# Altium PCB KlusterLab r2.0.PcbDoc (part 4 of 22) (continued)
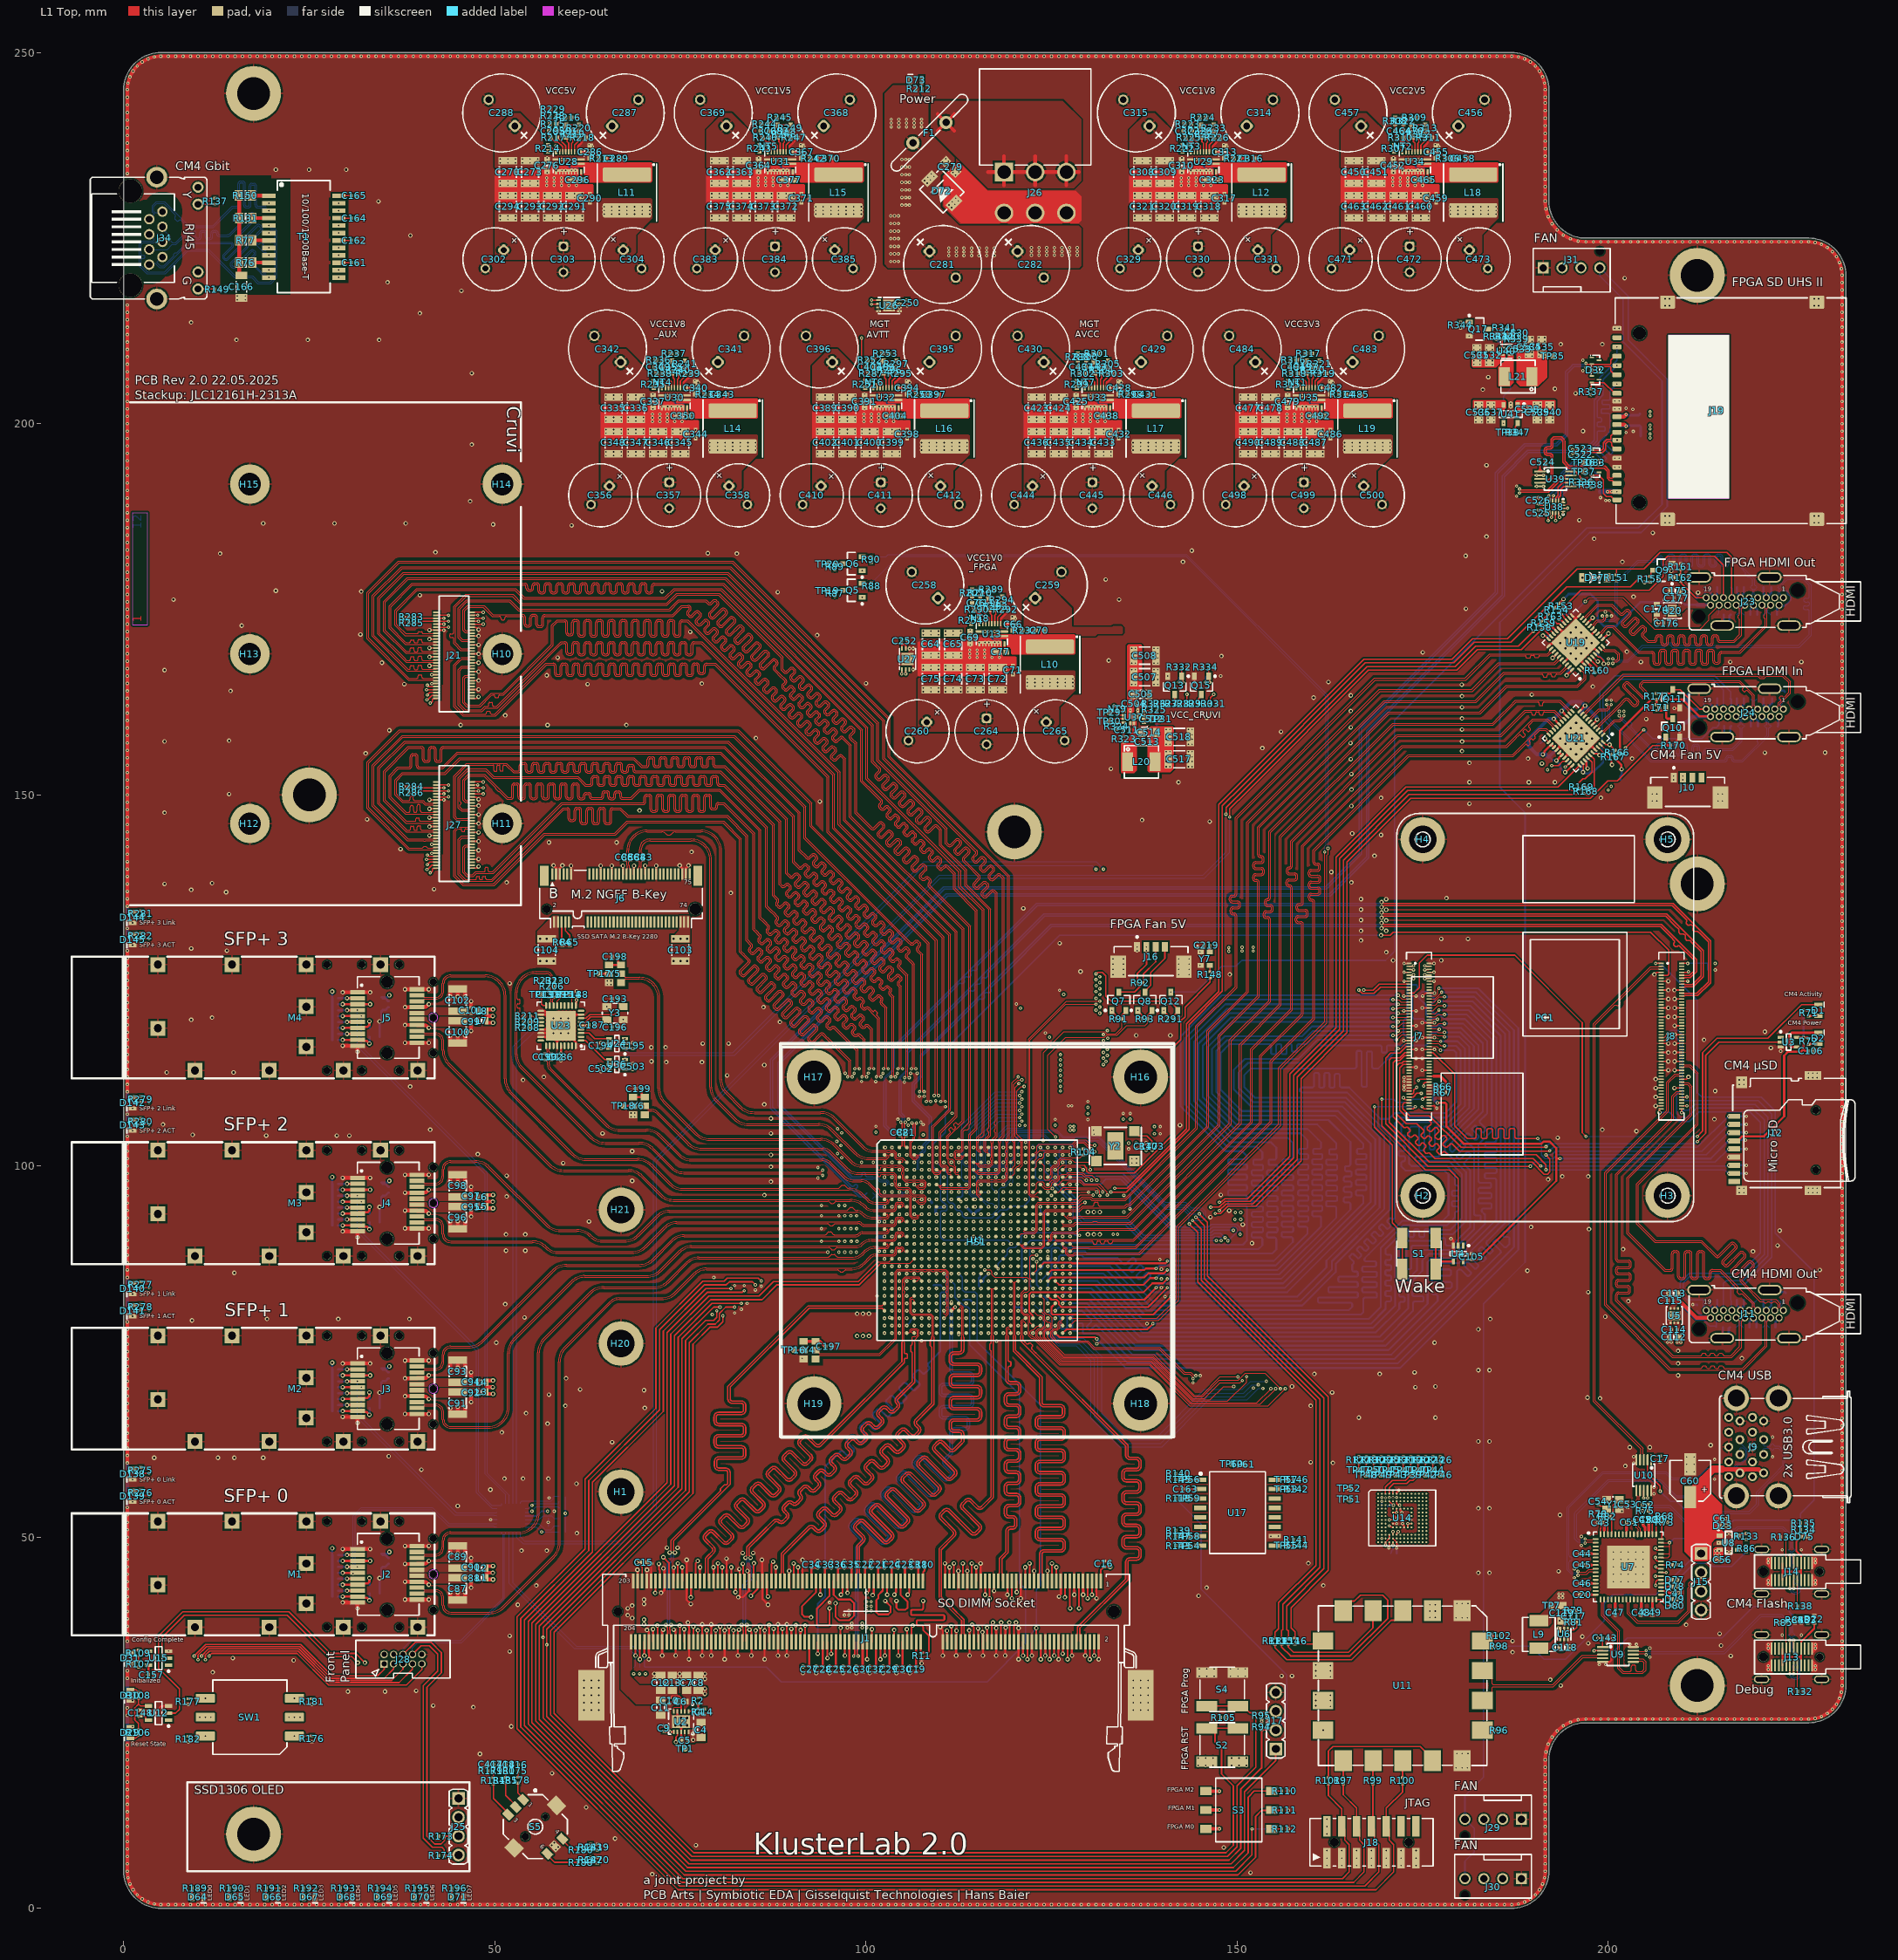
[diagram p0: L1 Top view]
## Part data (continued)
R97 R99 R100 R101: library part RES_0402_22R_1%, "Thick Film Resistors - SMD 22Ohm 1%", Manufacturer 1="Vishay / Dale", Manufacturer 1 Prt. Nr.=CRCW040222R0FKEDC, Manufacturer 2=Yageo, Manufacturer 2 Prt. Nr.=RC0402FR-7W22RL
R106 R108: library part "RES_0402_270R 1%", "Thick Film Resistors - SMD 270Ohm 1%", Manufacturer 1="Vishay / Dale", Manufacturer 1 Prt. Nr.=CRCW0402270RFKEDC, Manufacturer 2=Yageo, Manufacturer 2 Prt. Nr.=RC0402FR-07270RL
R107: library part RES_0402_360R_1%, "Thick Film Resistors - SMD 360Ohm 1%", Manufacturer 1="Vishay / Dale", Manufacturer 1 Prt. Nr.=CRCW0402360RFKED, Manufacturer 2=Yageo, Manufacturer 2 Prt. Nr.=AC0402FR-07360RL
R117 R230 R231: library part RES_0402_49.9R_1%, "Thick Film Resistors - SMD 49.9Ohm 1%", Manufacturer 1="Vishay / Dale", Manufacturer 1 Prt. Nr.=CRCW040249R9FKEDC, Manufacturer 2=Yageo, Manufacturer 2 Prt. Nr.=RC0402FR-7W49R9L
R134 R135: library part RES_0402_2.2k_1%, "Thick Film Resistors - SMD 2.2kOhm 1%", Manufacturer 1="Vishay / Dale", Manufacturer 1 Prt. Nr.=CRCW04022K20FKEDC, Manufacturer 2=Yageo, Manufacturer 2 Prt. Nr.=AF0402FR-072K2L
R137 R149 R210 R275 R277 R279 R281 R300: library part RES_0402_110R_1%, "Thick Film Resistors - SMD 110Ohm 1%", Manufacturer 1="Vishay / Dale", Manufacturer 1 Prt. Nr.=CRCW0402110RFKTD, Manufacturer 2=Yageo, Manufacturer 2 Prt. Nr.=RC0402FR-7W110RL
R151 R214 R222 R235 R243 R251 R254 R299 R307 R315: library part RES_0402_30.1k_1%, "Thick Film Resistors - SMD 30.1kOhm 1%", Manufacturer 1="Vishay / Dale", Manufacturer 1 Prt. Nr.=CRCW040230K1FKEDC, Manufacturer 2=Yageo, Manufacturer 2 Prt. Nr.=RC0402FR-1330K1L
R152: library part RES_0402_4.64k_1%, "Thick Film Resistors - SMD 4.64kOhm 1%", Manufacturer 1="Vishay / Dale", Manufacturer 1 Prt. Nr.=CRCW04024K64FKEDC, Manufacturer 2=Yageo, Manufacturer 2 Prt. Nr.=RC0402FR-134K64L
R161 R162: library part RES_0402_100k_1%, "Thick Film Resistors - SMD 100kOhm 1%", Manufacturer 1="Vishay / Dale", Manufacturer 1 Prt. Nr.=CRCW0402100KFKEDC, Manufacturer 2=Yageo, Manufacturer 2 Prt. Nr.=RC0402FR-7W100KL
R189 R190 R191 R192 R193 R194 R195 R196 R276 R278 R280 R282: library part "RES_0402_200R 1%", "Thick Film Resistors - SMD 200Ohm 1%", Manufacturer 1="Vishay / Dale", Manufacturer 1 Prt. Nr.=CRCW0402200RFKEDC, Manufacturer 2=Yageo, Manufacturer 2 Prt. Nr.=AF0402FR-07200RL
R215: library part RES_0402_45.3k_1%, "Thick Film Resistors - SMD 45.3kOhm 1%", Manufacturer 1="Vishay / Dale", Manufacturer 1 Prt. Nr.=CRCW040245K3FKEDC, Manufacturer 2=Yageo, Manufacturer 2 Prt. Nr.=RC0402FR-0745K3L
R216 R224 R237 R245 R253 R289 R301 R309 R317: library part RES_0402_10R_1%, "Thick Film Resistors - SMD 10Ohm 1%", Manufacturer 1="Vishay / Dale", Manufacturer 1 Prt. Nr.=CRCW040210R0FKEE, Manufacturer 2=Yageo, Manufacturer 2 Prt. Nr.=RC0402FR-7W10RL
R218 R226 R239 R247 R292 R295 R303 R311 R319: library part RES_0402_6.04k_1%, "Thick Film Resistors - SMD 6.04kOhm 1%", Manufacturer 1="Vishay / Dale", Manufacturer 1 Prt. Nr.=CRCW04026K04FKEDC, Manufacturer 2=Yageo, Manufacturer 2 Prt. Nr.=RC0402FR-7W6K04L
R244: library part RES_0402_6.65k_1%, "Thick Film Resistors - SMD 6.65kOhm 1%", Manufacturer 1="Vishay / Dale", Manufacturer 1 Prt. Nr.=CRCW04026K65FKEDC, Manufacturer 2=Yageo, Manufacturer 2 Prt. Nr.=RC0402FR-136K65L
R252: library part RES_0402_3.32k_1%, "Thick Film Resistors - SMD 3.32kOhm 1%", Manufacturer 1="Vishay / Dale", Manufacturer 1 Prt. Nr.=CRCW04023K32FKEDC, Manufacturer 2=Yageo, Manufacturer 2 Prt. Nr.=AC0402FR-073K32L
R308: library part RES_0402_12k_1%, "Thick Film Resistors - SMD 12kOhm 1%", Manufacturer 1="Vishay / Dale", Manufacturer 1 Prt. Nr.=CRCW040212K0FKEDC, Manufacturer 2=Yageo, Manufacturer 2 Prt. Nr.=RC0402FR-7W12KL
R316: library part RES_0402_26.7k_1%, "Thick Film Resistors - SMD 26.7kOhm 1%", Manufacturer 1="Vishay / Dale", Manufacturer 1 Prt. Nr.=CRCW040226K7FKEDC, Manufacturer 2=Yageo, Manufacturer 2 Prt. Nr.=RC0402FR-0726K7L
R322: library part RES_0402_5.76k_1%, "Thick Film Resistors - SMD 5.76kOhm 1%", Manufacturer 1="Vishay / Dale", Manufacturer 1 Prt. Nr.=CRCW04025K76FKED, Manufacturer 2=Yageo, Manufacturer 2 Prt. Nr.=AC0402FR-075K76L
R325: library part RES_0402_3.3k_1%, "Thick Film Resistors - SMD 3.3kOhm 1%", Manufacturer 1="Vishay / Dale", Manufacturer 1 Prt. Nr.=CRCW04023K30FKEDC, Manufacturer 2=Yageo, Manufacturer 2 Prt. Nr.=RC0402FR-133K3L
R326: library part RES_0402_18R_1%, "Thick Film Resistors - SMD 18Ohm 1%", Manufacturer 1="Vishay / Dale", Manufacturer 1 Prt. Nr.=CRCW040218R0FKEDC, Manufacturer 2=Yageo, Manufacturer 2 Prt. Nr.=RC0402FR-7W18RL
R327: library part RES_0402_715R_1%, "Thick Film Resistors - SMD 715Ohm 1%", Manufacturer 1="Vishay / Dale", Manufacturer 1 Prt. Nr.=CRCW0402715RFKED, Manufacturer 2=Yageo, Manufacturer 2 Prt. Nr.=RC0402FR-07715RL
R328: library part RES_0402_301R_1%, "Thick Film Resistors - SMD 301Ohm 1%", Manufacturer 1="Vishay / Dale", Manufacturer 1 Prt. Nr.=CRCW0402301RFKED, Manufacturer 2=Yageo, Manufacturer 2 Prt. Nr.=RC0402FR-07301RL
R329: library part RES_0402_619R_1%, "Thick Film Resistors - SMD 619Ohm 1%", Manufacturer 1="Vishay / Dale", Manufacturer 1 Prt. Nr.=CRCW0402619RFKED, Manufacturer 2=Yageo, Manufacturer 2 Prt. Nr.=RC0402FR-07619RL
R330: library part RES_0402_562R_1%, "Thick Film Resistors - SMD 562Ohm 1%", Manufacturer 1="Vishay / Dale", Manufacturer 1 Prt. Nr.=CRCW0402562RFKED, Manufacturer 2=Yageo, Manufacturer 2 Prt. Nr.=RC0402FR-07562RL
R331: library part RES_0402_1.1k_1%, "Thick Film Resistors - SMD 1.1kOhm 1%", Manufacturer 1="Vishay / Dale", Manufacturer 1 Prt. Nr.=CRCW04021K10FKED, Manufacturer 2=Yageo, Manufacturer 2 Prt. Nr.=RC0402FR-071K1L
R339: library part RES_0402_20k_1%, "Thick Film Resistors - SMD 20kOhm 1%", Manufacturer 1="Vishay / Dale", Manufacturer 1 Prt. Nr.=CRCW040220K0FKEDC, Manufacturer 2=Yageo, Manufacturer 2 Prt. Nr.=RC0402FR-7D20KL
R340: library part RES_0402_7.87k_1%, "Thick Film Resistors - SMD 7.87kOhm 1%", Manufacturer 1=Panasonic, Manufacturer 1 Prt. Nr.=ERJ-2RKF7871X, Manufacturer 2=Yageo, Manufacturer 2 Prt. Nr.=RC0402FR-077K87L
R345: library part RES_0603_OPT, "Thick Film Resistors - SMD Optional"
R346 R348: library part RES_0603_0R_Jumper_1, "Thick Film Resistors - SMD 0Ohm Jumper", Manufacturer 1=Yageo, Manufacturer 1 Prt. Nr.=RC0603JR-100RL, Manufacturer 2="Vishay / Draloric", Manufacturer 2 Prt. Nr.=CRCW06030000Z0EBC
S1 S2 S4: library part "LL3301BF065QJ_SPST Top Actuated  Button, 65gf, SMD h: 9.8mm", "SPST Top Actuated  Button, 65gf, SMD h: 9.8mm", Manufacturer 1=E-Switch, Manufacturer 1 Prt. Nr.=LL3301BF065QJ
S3: "SMD DIP Switch, 3 Pos, Slide actuator", Manufacturer 1="CUI Devices", Manufacturer 1 Prt. Nr.=DS04-254-1-03BK-SMT
S5: library part "AlpsAlpine_ SKRHACE010_Multi-Directional-Switches_4-directions_center-push", "Multi-Directional Switches, 4-directions, center-push", Manufacturer 1="Alps Alpine", Manufacturer 1 Prt. Nr.=SKRHACE010
SW1: library part "428521420910_Rotary Switch WS-ROSV 10Pos Real Code", "Rotary Switches WS-ROSV IP67 10Pos 2.54mm Lt Grey", Manufacturer 1="Würth Elektronik", Manufacturer 1 Prt. Nr.=428521420910
T1: library part "QT24A01_10/100/1000Base-T  Single  Port  Transformer", "1:1 350 28 1.2 -1 -16 SMD,24PIN RJ45 Transformer RoHS", Manufacturer 1=TNK, Manufacturer 1 Prt. Nr.=QT24A01
TP1 TP2 TP3 TP4 TP5 TP6 TP7 TP8 TP9 TP10 TP11 TP12 TP13 TP14 TP15 TP16 TP17 TP18 TP19 TP20 TP21 TP22 TP23 TP24 TP25 TP26 TP27 TP28 TP29 TP30 TP31 TP32 TP33 TP34 TP35 TP36 TP37 TP38 TP39 TP40 TP41 TP42 TP43 TP44 TP45 TP46 TP47 TP48 TP49 TP50 TP51 TP52 TP53 TP54 TP55 TP56 TP57 TP58 TP59 TP60 TP61: library part "Testpoint 0.8mm", "Testpoint 0.8mm"
U1: library part "XC7K160T-3FFG676E_Kintex-7 FPGA, 400 User I/Os, 8 GTX, FFG676", "Kintex-7 FPGA, 400 User I/Os, 8 GTX, 676-Ball BGA, Speed Grade 3, Extended Grade, Pb-Free", Manufacturer 1=Xilinx, ComponentLink1Description=Datasheet, ComponentLink1URL=http://www.xilinx.com/support/documentation/data_sheets/ds180_7Series_Overview.pdf, ComponentLink2Description="Package Specification", ComponentLink2URL=http://www.xilinx.com/support/documentation/user_guides/ug865-Zynq-7000-Pkg-Pinout.pdf, Manufacturer 1 Prt. Nr.=XC7K160T-3FFG676E
U2: library part "TPS51200DRCT_Sink and Source DDR Termination Regulator", "Sink and Source DDR Termination Regulator", Manufacturer 1="Texas Instruments", Manufacturer 1 Prt. Nr.=TPS51200DRCT
U3 U4: library part "NL17SZ07DFT2G_Buffer 1.65-5.5V Single Non-Inverting", "Puffer u. Leitungstreiber 1.65-5.5V Single Non-Inverting", Manufacturer 1="ON Semiconductor", Manufacturer 1 Prt. Nr.=NL17SZ07DFT2G
U5 U20: library part "AP21510FM-7_Power Switch ICs - Power Distribution Load Switch", "Power Switch ICs - Power Distribution 0.5A SGL Ch USB 2.0 Curr Limited Switch", Manufacturer 1="Diodes Incorporated", Manufacturer 1 Prt. Nr.=AP21510FM-7
U6 U40: library part "TLV62568ADRL_Step Down Converter 1A; 2A", "Step Down Converter with Forced PWM in SOT563 Package", Manufacturer 1="Texas Instruments", Manufacturer 1 Prt. Nr.=TLV62568ADRL
U7: library part "TUSB8044AI_USB Hub IC, USB 3.2, 5Gbps, 4 Ports, industrial Temperature", "USB Hub IC, USB 3.2, 5Gbps, 4 Ports, industrial Temperature", Manufacturer 1="Texas Instruments", Manufacturer 1 Prt. Nr.=TUSB8044AIRGCT
U8 U41: library part "AP22816AKCWT-7_Power Switch ICs - Power Distribution Load Switch", "Power Switch ICs - Power Distribution Load Switch", Manufacturer 1="Diodes Incorporated", Manufacturer 1 Prt. Nr.=AP22816AKCWT-7
U9 U10 U39: library part "FSUSB42MUX_IC USB SWITCH DPDT", "IC USB SWITCH DPDT", Manufacturer 1="onsemi / Fairchild", Manufacturer 1 Prt. Nr.=FSUSB42MUX
U11: library part "JTAG-SMT3-NC_Surface-mount JTAG Programming + UART Module", "Surface-mount JTAG Programming + UART Module", Manufacturer 1=Digilent, Manufacturer 1 Prt. Nr.=JTAG-SMT3-NC
U12 U15: library part "74LV1T34GV-Q100H_Single supply translating buffe", "Single supply translating buffer", Manufacturer 1=Nexperia, Manufacturer 1 Prt. Nr.=74LV1T34GV-Q100H
U13 U28 U29 U30 U31 U32 U33 U34 U35: library part "TPS54JB20RWWR_Switching Voltage Regulators 2.7-V to 16-V input 20-A synchronous Buck", "Switching Voltage Regulators 2.7-V to 16-V input 20-A synchronous Buck", Manufacturer 1="Texas Instruments", Manufacturer 1 Prt. Nr.=TPS54JB20RWWR
U14: library part "S40FC004C1B2C00000_eMMC 4GB e.MMC5.1 BGA 9.0 x 7.5 x 0.8 mm", "eMMC 4GB e.MMC5.1 BGA 9.0 x 7.5 x 0.8 mm", Manufacturer 1="SkyHigh Memory", Manufacturer 1 Prt. Nr.=S40FC004C1B2C00000
U17: library part "MT25QU256ABA8ESF-0SIT_NOR-Flash SPI 256Mbit NOR-Flash /1.8V", "NOR-Flash SPI 256Mbit NOR-Flash /1.8V", Manufacturer 1=Micron, Manufacturer 1 Prt. Nr.=MT25QU256ABA8ESF-0SIT
U19: library part "TMDS141RHAR_HDMI Hider, 130 mA, 6 kV, 0 to +70 degC, 40-pin QFN", "HDMI Hider, 130 mA, 6 kV, 0 to +70 degC, 40-pin QFN", Manufacturer 1="Texas Instruments", ComponentLink1Description="Manufacturer URL", ComponentLink1URL=http://www.ti.com/, ComponentLink2Description=Datasheet, ComponentLink2URL=http://www.ti.com/general/docs/lit/getliterature.tsp?genericPartNumber=TMDS141&fileType=pdf, ComponentLink3Description="URL Link1", ComponentLink3URL=SamplesURL:http://www.ti.com/product/tmds141#samples, Manufacturer 1 Prt. Nr.=TMDS141RHAR
U21: library part "AD8195ACPZ_IC VIDEO HDMI/DVI BUFFER 40LFCSP", "IC VIDEO HDMI/DVI BUFFER 40LFCSP", Manufacturer 1="Analog Devices", Manufacturer 1 Prt. Nr.=AD8195ACPZ
U22: library part "TCA9548ARGERQ1_8-Channel I2C Switch with Reset", "Automotive 8-Channel I2C Switch with Reset", Manufacturer 1="Texas Instruments", Manufacturer 1 Prt. Nr.=TCA9548ARGERQ1
U23: library part "SI5324C-C-GM_PRECISION CLOCK MULTIPLIER/ JITTER ATTENUATOR", "PRECISION CLOCK MULTIPLIER/ JITTER ATTENUATOR", Manufacturer 1="Skyworks Solutions, Inc.", Manufacturer 1 Prt. Nr.=SI5324C-C-GM
U24 U36: library part "SN74AVC1T45DCKR_Single-Bit Dual-Supply Bus Transceiver", "Single-Bit Dual-Supply Bus Transceiver with Configurable Voltage Translation and 3-State Outputs", Manufacturer 1="Texas Instruments", Manufacturer 1 Prt. Nr.=SN74AVC1T45DCKR
U26 U27: library part "PCT2075TP,147_Digital Temp Sensor I2C", "Digital Temp Sensor I2C", Manufacturer 1=NXP, Manufacturer 1 Prt. Nr.=PCT2075TP,147
U37: library part "AP62600SJ-7_4.5V TO 18V INPUT, 6A SYNCHRONOUS BUCK CONVERTER", "4.5V TO 18V INPUT, 6A SYNCHRONOUS BUCK CONVERTER", Manufacturer 1="Diodes Incorporated", Manufacturer 1 Prt. Nr.=AP62600SJ-7
U38: library part "NVT4858HKZ_Levelshifter SD 3.0-SDR104, auto-direction, EMI filter and ESD protection", "Levelshifter SD 3.0-SDR104, auto-direction, EMI filter and ESD protection", Manufacturer 1="NXP Semiconductors", Manufacturer 1 Prt. Nr.=NVT4858HKZ
Y1: library part "Quarz 24MHz ESR 50R10pF", "2.5 x 2.0 x 0.55 mm SMD Crystal", Frequency=24MHz, Manufacturer 1=ECS, Manufacturer 1 Prt. Nr.=ECS-240-10-36B2-CTN-TR
Y2: library part "ASVMB-66.000MHZ-XY-T_Clock-Memsoszillator 66.000MHz 1.8V 10ppm -40C +105C", "Clock-Memsoszillator 66.000MHz 1.8V 10ppm -40C +105C", Manufacturer 1=ABRACON, Manufacturer 1 Prt. Nr.=ASVMB-66.000MHZ-XY-T
Y3: library part "Quarz 114.2850MHz ESR 80R 18pF", "3.2 x 2.5 x 0.8 mm SMD Crystal", Frequency=114.2850MHZ, Manufacturer 1="Connor Winfield", Manufacturer 1 Prt. Nr.=CS-023-114.285M
Y4: library part "AX3DCF1-200.0000_200MHz Clock Oscillator, 1V8, LVDS", "200MHz Clock Oscillator, 1V8, LVDS", Manufacturer 1=Abracon, Manufacturer 1 Prt. Nr.=AX3DCF1-200.0000
Y5: library part "511JBA150M000CAG_150MHz Clock Oscillator, 1V8, LVDS", "150MHz Clock Oscillator, 1V8, LVDS", Manufacturer 1="Skyworks Solutions, Inc.", Manufacturer 1 Prt. Nr.=511JBA150M000CAG
Y6: library part "AX3DCF1-156.2500_156.25MHz Clock Oscillator, 1V8, LVDS", "156.25MHz Clock Oscillator, 1V8, LVDS", Manufacturer 1=Abracon, Manufacturer 1 Prt. Nr.=AX3DCF1-156.2500
Y7: library part "ECS-TXO-20CSMV4-520-AN-TR_52.000MHz Clock Oscillator, 1V7-3V6", "Clock-Standardoszillatoren 52.000MHz 1.7V 3.6V 0.5ppm -40C +85C", Manufacturer 1=ECS, Manufacturer 1 Prt. Nr.=ECS-TXO-20CSMV4-520-AN-TR

## Via types
v1: diameter 0.45, hole 0.2, L1 Top to L12 Bottom, tented both sides, 4200 vias
v2: diameter 0.6, hole 0.3, L1 Top to L12 Bottom, tented both sides, 908 vias
v3: diameter 0.4, hole 0.2, L1 Top to L12 Bottom, tented both sides, 7 vias

## Nets (pads, with @x,y where several pads share a name; then routed paths per layer and width w, separated by ;. In a path a pad name is that pad's centre, name@x,y a point inside that pad or via, vN(x,y) a via of type N, cw(c..) or ccw(c..) an arc to the next point about the centre after c; other vN are vias at no path point)
5V_PI_HDMI: C113.1 C115.1 D3.1 J11.18 U5.5 U5.6 | length 7.6
  L1 Top w0.5: 209.277,81.654 209.797,81.654 211.897,79.554 J11.18@213.777,79.554
  L12 Bottom w0.3: D3.1@211.997,80.404 211.997,80.379 212.122,80.254 212.147,80.254 212.647,79.754 213.402,79.754 213.602,79.554 J11.18@213.777,79.554 J11.18@213.74,79.591
5V_TX_HDMI: C175.1 C177.1 D48.1 J23.18 R153.2 R154.2 U20.5 U20.6 | length 26.5
  L1 Top w0.3: R154.2@192.792,175.176 R153.2@193.358,175.742 v2(193.97,176.354)
  L12 Bottom w0.3: v2(193.97,176.354) 194.67,177.054 197.597,177.054 198.597,176.054 198.597,173.554 199.397,172.754 201.097,172.754 204.297,175.954 209.997,175.954 210.36,175.591 D48.1@211.922,175.591
  L12 Bottom w0.5: D48.1@211.922,175.591 213.74,175.591 J23.18@213.777,175.554
150MHz_REFCLK_N: R18.2 U1.F5 Y5.5 | length 64
  L1 Top w0.1: 100.7,100.1 104.749,100.1 105.1,99.749 105.1,98.334 105.334,98.1 107.534,98.1 107.783,98.1 107.841,98.041 108.1,97.783 108.1,97.217 107.783,96.9 107.076,96.9 106.5,97.476 v1(106.5,97.5)
  L1 Top w0.114: Y5.5@67,125.9 cw(c67,125.659) 67.171,125.829 67.493,125.507 ccw(c67.541,125.507) 67.507,125.473 ccw(c67.634,125.6) 67.634,125.42 69.539,125.42 cw(c69.539,122.76) 72.2,122.76 72.2,110.452 ccw(c74.74,110.452) 72.944,108.656 77.156,104.444 ccw(c78.952,106.24) 78.952,103.7 93.889,103.7 cw(c93.889,100.919) 95.855,102.886 97.971,100.769 98.029,100.711 ; 98.08,100.66 98.029,100.711 ; 100.686,100.12 99.457,100.12 cw(c99.457,102.14) 98.029,100.711
150MHz_REFCLK_P: R18.1 U1.F6 Y5.4 | length 64.2
  L1 Top w0.1: 100.686,99.88 100.707,99.9 101.5,99.9 101.6,99.8 101.6,99.6 101.7,99.5 101.9,99.5 102,99.6 102,99.8 102.1,99.9 102.8,99.9 102.9,99.8 103.2,99.8 103.3,99.9 103.8,99.9 103.9,99.8 104.2,99.8 104.3,99.9 104.666,99.9 104.9,99.666 104.9,99.3 104.8,99.2 104.8,98.9 104.9,98.8 104.9,98.666 104.9,98.251 105.251,97.9 105.7,97.9 105.8,97.8 106.1,97.8 106.2,97.9 106.7,97.9 106.8,97.8 107.1,97.8 107.2,97.9 107.617,97.9 107.7,97.9 107.9,97.7 107.9,97.3 107.7,97.1 107.179,97.1 107,97.279 107,97.4 107.1,97.5 v1(107.5,97.5)
  L1 Top w0.114: Y5.4@67,124.7 ccw(c67,124.941) 67.171,124.771 67.493,125.093 cw(c67.541,125.093) 67.507,125.127 cw(c67.634,125) 67.634,125.18 69.44,125.18 cw(c69.44,122.66) 71.959,122.66 71.959,110.452 ccw(c74.74,110.452) 72.774,108.486 76.986,104.274 ccw(c78.952,106.24) 78.952,103.459 93.889,103.459 cw(c93.889,100.919) 95.685,102.715 97.929,100.471 ccw(c99.357,101.899) 99.357,99.88 100.686,99.88
156.25MHz_REFCLK_N: R19.2 U1.H5 Y6.5 | length 46.3
  L1 Top w0.1: 100.7,99.1 101.471,99.1 103.749,99.1 104.1,98.749 104.1,97.334 104.334,97.1 105.379,97.1 105.749,97.1 106.1,96.749 106.1,96.334 106.267,96.167 106.334,96.1 107.534,96.1 107.783,96.1 107.841,96.041 108.1,95.783 108.1,95.217 107.783,94.9 107.076,94.9 106.9,95.076 106.5,95.476 v1(106.5,95.5)
  L1 Top w0.114: Y6.5@70.2,108.1 70.57,107.73 cw(c70.527,107.687) 70.588,107.687 70.621,107.654 ccw(c70.702,107.734) 70.702,107.62 71.117,107.62 cw(c71.117,106.504) 71.907,107.293 76.056,103.144 ccw(c77.852,104.94) 77.852,102.4 94.213,102.4 cw(c94.213,100.884) 95.284,101.956 97.471,99.769 97.529,99.712 ccw(c98.957,101.14) 98.957,99.12 100.7,99.12
156.25MHz_REFCLK_P: R19.1 U1.H6 Y6.4 | length 46.3
  L1 Top w0.1: 100.7,98.9 100.818,98.9 101.139,98.9 101.319,98.9 101.5,98.9 101.6,98.8 101.6,98.7 101.7,98.6 101.9,98.6 102,98.7 102,98.8 102.1,98.9 102.7,98.9 102.8,98.8 103.1,98.8 103.2,98.9 103.666,98.9 103.9,98.666 103.9,98.2 103.8,98.1 103.8,97.8 103.9,97.7 103.9,97.666 103.9,97.251 104.251,96.9 104.817,96.9 104.917,96.8 105.217,96.8 105.317,96.9 105.666,96.9 105.9,96.666 105.9,96.251 106.126,96.026 106.251,95.9 106.8,95.9 106.9,95.8 107.2,95.8 107.3,95.9 107.451,95.9 107.617,95.9 107.7,95.9 107.9,95.7 107.9,95.3 107.7,95.1 107.179,95.1 107,95.279 107,95.4 107.1,95.5 v1(107.5,95.5)
  L1 Top w0.114: Y6.4@70.2,106.9 70.57,107.27 ccw(c70.527,107.313) 70.588,107.313 70.621,107.346 cw(c70.702,107.266) 70.702,107.38 71.067,107.38 cw(c71.067,106.383) 71.772,107.088 75.886,102.974 ccw(c77.852,104.94) 77.852,102.159 94.113,102.159 cw(c94.113,100.643) 95.185,101.715 97.429,99.471 ccw(c98.857,100.899) 98.857,98.88 100.7,98.88
200MHz_SYSCLK_N: R9.1 U1.AD9 Y4.5 | length 35.4
  L1 Top w0.1: 103.671,76.6 103.7,76.6 103.9,76.8 103.9,84.334 103.9,85.749 104.251,86.1 110.749,86.1 111.1,85.749 111.1,81.251 111.1,80.076 ; v1(110.5,79.5) 110.524,79.5 111.1,80.076 ; 111.1,80.783 111.1,80.076
  L1 Top w0.114: Y4.5@93.2,75.2 93.3,75.2 93.693,74.807 93.693,74.787 93.76,74.72 101.792,74.72 103.671,76.6
200MHz_SYSCLK_P: R9.2 U1.AC9 Y4.4 | length 35.2
  L1 Top w0.1: 103.841,76.43 103.841,76.459 104.1,76.717 104.1,85.666 104.334,85.9 105.8,85.9 105.9,85.8 106.2,85.8 106.3,85.9 106.7,85.9 106.8,85.8 107.1,85.8 107.2,85.9 107.7,85.9 107.8,85.8 108.1,85.8 108.2,85.9 108.8,85.9 108.9,85.8 109.2,85.8 109.3,85.9 109.8,85.9 109.9,85.8 110.2,85.8 110.3,85.9 110.666,85.9 110.9,85.666 110.9,85.334 110.9,85.3 110.8,85.2 110.8,84.9 110.9,84.8 110.9,84.666 110.9,84.3 110.8,84.2 110.8,83.9 110.9,83.8 110.9,83.334 110.9,83.3 110.8,83.2 110.8,82.9 110.9,82.8 110.9,82.334 110.9,82.2 110.8,82.1 110.8,81.8 110.9,81.7 110.9,81.2 110.8,81.1 110.8,80.8 110.9,80.7 110.9,80.179 110.721,80 110.6,80 110.5,80.1 v1(110.5,80.5)
  L1 Top w0.114: Y4.4@93.2,74 93.3,74 93.693,74.393 93.693,74.413 93.76,74.48 99.52,74.48 101.891,74.48 103.671,76.259 103.841,76.43
+1V1: C44.1 C45.1 C46.1 C47.1 C48.1 C49.1 C50.1 C51.1 C117.2 C119.1 L9.1 R79.2 TP7.1 U7.5 U7.8 U7.13 U7.21 U7.28 U7.31 U7.51 U7.57 | length 11.3
  L1 Top w0.25: 197.75,43.75 U7.13@198.3,43.75 ; 197.75,46.25 U7.8@198.3,46.25 ; 197.75,47.75 U7.5@198.3,47.75 ; 200.95,41.05 U7.21@200.95,41.6 ; U7.57@202.45,50.4 202.45,50.95 ; 204.45,41.05 U7.28@204.45,41.6 ; U7.51@205.45,50.4 205.45,50.95 ; 205.95,41.05 U7.31@205.95,41.6
  L1 Top w0.4: v1(196.945,43.75) 197.75,43.75 ; v1(196.945,46.25) 197.75,46.25 ; v1(196.945,47.75) 197.75,47.75 ; v1(200.95,40.245) 200.95,41.05 ; 202.455,50.955 v1(202.455,52) ; v1(204.45,40.245) 204.45,41.05 ; 205.45,50.95 v1(205.45,51.955) ; v1(205.95,40.245) 205.95,41.05
  other v1: 193.35,41.85 193.85,41.85 193.35,42.35 193.85,42.35
AMUX: C179.1 C184.1 D49.1 D50.1 U21.32 U21.36 | length 9.2
  L1 Top w0.2: U21.32@196.485,154.303 196.632,154.157 196.632,153.089 v2(196.597,153.054) ; U21.36@197.9,155.717 198.063,155.554 198.489,155.554 198.689,155.354 v2(198.797,155.354)
  L12 Bottom w0.3: C184.1@196.567,154.151 196.567,154.095 196.297,153.825 196.297,153.435 196.597,153.135 v2(196.597,153.054) 196.679,153.054 196.879,152.854 197.32,152.854 197.589,153.122 D50.1@198.02,153.122 D49.1@199.293,154.395 199.309,154.411 199.309,154.843 v2(198.797,155.354) 198.716,155.354 198.505,155.565 198.108,155.565 198.073,155.601 198.021,155.601 C179.1@197.986,155.565
BBbmConfigured0: TP24.1 U7.40 | length 0.8
  L1 Top w0.15: v1(206.4,46) 206.64,45.76 207.09,45.76 U7.40@207.1,45.75
BBbmConfigured1: TP25.1 U7.45 | length 0.9
  L1 Top w0.15: v1(206.35,48.5) 206.6,48.25 U7.45@207.1,48.25
BBEN: TP23.1 U7.42 | length 1.1
  L1 Top w0.15: v1(206.35,47.25) 206.396,47.204 206.396,46.96 206.606,46.75 U7.42@207.1,46.75
Button_C: C418.1 J28.5 R180.1 R185.1 U1.H23 | length 378.4
  L1 Top w0.2: v1(10.5,34) 10.5,34.025 11.425,34.95 23.599,34.95 27.849,30.7 36.097,30.7 37.63,32.233 J28.5@37.63,32.93 ; R185.1@51.45,17.64 51.473,17.662 51.473,18.472 R180.1@51.495,18.495 v1(51.495,19.395)
  L3 Inner2 (Sig) w0.1: v1(10.5,34) 11.7,35.2 11.7,43.266 10.9,44.066 10.9,55.7 11.7,56.5 11.7,68.266 10.9,69.066 10.9,80.7 11.7,81.5 11.7,93.266 10.9,94.066 10.9,105.7 11.7,106.5 11.7,118.266 10.9,119.066 10.9,137.584 8.55,139.934 8.55,173.917 18.333,183.7 60.637,183.7 113.037,131.3 119.874,131.3 129.771,121.403 129.771,121.4 v1(131.5,121.4)
  L3 Inner2 (Sig) w0.2: J28.5@37.63,32.93 39.215,31.345 40.383,31.345 51.495,20.232 v1(51.495,19.395)
  L10 Inner9 (Sig) w0.1: v1(124.5,95.5) 124.962,95.5 125.5,96.038 125.5,96.725 128.4,99.625 128.4,119 130.8,121.4 v1(131.5,121.4)
Button_D: C420.1 J28.3 R187.1 R188.1 U1.G22 | length 403.1
  L1 Top w0.1: U1.G22@123.5,96.5 123.469,96.469 123.166,96.469 122.797,96.1 122.269,96.1 122.1,96.269 122.1,97.334 122.1,117 126.9,121.8 v1(131,121.8)
  L1 Top w0.2: v1(10,33.5) 10,34.101 11.149,35.25 23.723,35.25 27.973,31 35.1,31 36.347,32.247 36.347,32.917 J28.3@36.36,32.93 ; R188.1@62.045,6.15 62.068,6.128 v1(63.778,6.128) C420.1@63.8,6.105
  L3 Inner2 (Sig) w0.1: v1(10,33.5) 10,34.1 11.5,35.6 11.5,43.183 10.7,43.983 10.7,55.8 11.5,56.6 11.5,68.183 10.7,68.983 10.7,80.8 11.5,81.6 11.5,93.183 10.7,93.983 10.7,105.8 11.5,106.6 11.5,118.183 10.7,118.983 10.7,137.501 8.35,139.851 8.35,174 18.25,183.9 60.72,183.9 113.12,131.5 119.957,131.5 129.657,121.8 v1(131,121.8)
  L3 Inner2 (Sig) w0.2: J28.3@36.36,32.93 38.498,30.792 40.215,30.792 50.27,20.738 50.27,18.006 51.411,16.865 51.411,15.835 57.446,9.8 59.04,9.8 62.74,6.1 v1@63.789,6.1
  L10 Inner9 (Sig) w0.1: v1@130.917,121.8 v1(131,121.8)
Button_L: C417.1 J28.1 R179.1 R184.1 U1.H22 | length 383.7
  L1 Top w0.1: U1.H22@123.5,95.5 123.485,95.5 123.085,95.9 122.186,95.9 121.9,96.186 121.9,96.666 121.9,97.334 121.9,97.666 121.9,98.334 121.9,102.666 121.9,117.1 127,122.2 v1(131.5,122.2)
  L1 Top w0.2: v1(9.5,34) 9.5,34.025 11.025,35.55 23.847,35.55 28.097,31.3 34.2,31.3 35.09,32.19 J28.1@35.09,32.93 ; R184.1@49.8,17.595 49.822,17.618 49.822,18.478 R179.1@49.845,18.5 v1(49.845,19.4)
  L3 Inner2 (Sig) w0.1: v1(9.5,34) 11.3,35.8 11.3,43.1 10.5,43.9 10.5,55.9 11.3,56.7 11.3,68.1 10.5,68.9 10.5,80.9 11.3,81.7 11.3,93.1 10.5,93.9 10.5,105.9 11.3,106.7 11.3,118.1 10.5,118.9 10.5,137.419 8.15,139.769 8.15,174.083 18.167,184.1 60.802,184.1 113.202,131.7 120.04,131.7 129.54,122.2 v1(131.5,122.2)
  L3 Inner2 (Sig) w0.2: J28.1@35.09,32.93 37.765,30.255 39.982,30.255 49.845,20.392 v1(49.845,19.4)
Button_R: C419.1 J28.7 R183.1 R186.1 U1.H24 | length 395.6
  L1 Top w0.2: v1(11,33.5) 11,34.101 11.549,34.65 23.474,34.65 27.724,30.4 37.1,30.4 38.9,32.2 J28.7@38.9,32.93 ; R186.1@62.045,7.9 62.068,7.878 63.778,7.878 v1(63.8,7.855)
  L3 Inner2 (Sig) w0.1: v1(11,33.5) 11,34.1 11.9,35 11.9,43.349 11.1,44.149 11.1,55.6 11.9,56.4 11.9,68.349 11.1,69.149 11.1,80.6 11.9,81.4 11.9,93.349 11.1,94.149 11.1,105.6 11.9,106.4 11.9,118.349 11.1,119.149 11.1,137.667 8.75,140.017 8.75,173.834 18.416,183.5 60.554,183.5 112.954,131.1 119.791,131.1 119.791,131.097 129.888,121 v1(131,121)
  L3 Inner2 (Sig) w0.2: J28.7@38.9,32.93 38.9,32.83 39.826,31.904 40.517,31.904 51.92,20.501 51.92,16.094 57.614,10.4 59.15,10.4 61.684,7.866 v1@63.789,7.866
  L10 Inner9 (Sig) w0.1: v1(125.5,95.5) 125.75,95.75 125.75,96.675 128.6,99.525 128.6,118.6 v1(131,121)
Button_U: C416.1 J28.9 R175.1 R178.1 U1.J24 | length 377.2
  L1 Top w0.1: R178.1@53.1,17.645 R178.1@53.145,17.69
  L1 Top w0.2: v1(11.5,34) 11.85,34.35 23.35,34.35 27.6,30.1 38.1,30.1 40.17,32.17 J28.9@40.17,32.93 ; R178.1@53.145,17.69 R175.1@53.145,18.5 v1(53.145,19.35)
  L3 Inner2 (Sig) w0.1: v1(11.5,34) 12.1,34.6 12.1,43.431 11.3,44.231 11.3,55.5 12.1,56.3 12.1,68.431 11.3,69.231 11.3,80.5 12.1,81.3 12.1,93.431 11.3,94.231 11.3,105.5 12.1,106.3 12.1,118.431 11.3,119.231 11.3,137.75 8.95,140.1 8.95,173.751 18.499,183.3 60.471,183.3 112.871,130.9 119.7,130.9 130,120.6 v1(131.5,120.6)
  L3 Inner2 (Sig) w0.2: J28.9@40.17,32.93 53.145,19.955 v1(53.145,19.35)
  L10 Inner9 (Sig) w0.1: v1(125.5,94.5) 126.075,95.075 126.075,96.717 128.8,99.442 128.8,117.9 v1(131.5,120.6)
CM4_1V8: J7.88 J7.90 R67.1
CM4_3V3: C105.2 C106.2 C116.1 J7.84 J7.86 J12.4 J34.10 J34.12 R66.1 R71.2 R72.2 U3.5 U4.5 | length 343.1
  L1 Top w0.3: v1(177,108.5) 178.024,108.5 178.2,108.324 178.2,105.3 180.5,103 191,103 191.3,103.3 192.1,103.3 193,102.4 193,101 ; U4.5@180.45,87.125 180.45,87.325 180.5,87.375 182.375,87.375 193,98 193,101 ; v1(193.5,101) 193,101 ; J12.4@216.975,103.4 217.175,103.6 217.666,103.6 218.066,104 221,104 222.1,105.1 223.7,106.7 223.7,114.868 224.239,115.406 225.994,115.406 226.3,115.713 ; U3.5@225.375,117.35 v1@226.085,117.35 ; v1(226.3,117.3) 226.3,115.713 ; v1@226.3,117.35 226.795,117.35 226.95,117.195 R72.2@227,117.195 ; v1(226.3,121) 226.305,120.995 R71.2@227,120.995 ; C106.2@226.905,115.5 226.868,115.537 226.476,115.537 226.3,115.713
  L10 Inner9 (Sig) w0.7: J34.12@10.019,231.86 8.4,230.241 8.4,222.049 J34.10@10.019,220.43 8.35,218.761 8.35,216.95 11.415,213.886 34.037,213.886 36.925,210.998 36.925,189.325 47,179.25 73.2,179.25 102.9,149.55 125.05,149.55 134.75,139.85 148.75,139.85 166.7,121.9 166.7,114.95 168.988,112.662 173.774,112.662 174.237,112.199 175.201,112.199 v1(176.7,110.7)
  L12 Bottom w0.3: v1@193.471,100.971 v1(193.5,101) 213.8,101 v1(216.2,103.4) 216.241,103.4 216.441,103.6 C116.1@217.005,103.6 ; v1(226.3,117.3) v1(226.3,121)
  L12 Bottom w0.5: v1(176.7,110.7) 176.545,110.545 176.545,108.955 v1(177,108.5)
CM4_GBE_LED_G: J7.17 R149.1 | length 213.7
  L1 Top w0.15: v1@166.471,123.7 v1(166.4,123.7) 166.85,123.25 168.466,123.25 169.316,124.1 J7.17@173.15,124.1
  L10 Inner9 (Sig) w0.15: v1(12.995,218.1) 12.995,216.679 14.584,215.09 34.882,215.09 38.64,211.332 38.64,189.11 47.45,180.3 73.5,180.3 103.3,150.5 125.55,150.5 135.05,141 149.1,141 v1(166.4,123.7)
CM4_GBE_LED_Y: J7.15 R137.1 | length 225.6
  L1 Top w0.15: v1(167.05,123.7) v1@167.1,123.7 ; v1@167.1,123.75 v1@167.1,123.7 ; J7.15@173.15,124.5 169.15,124.5 168.35,123.7 v1@167.1,123.7
  L10 Inner9 (Sig) w0.15: v1(12.325,230.37) 12.995,229.7 12.995,220.405 13.594,219.806 13.594,216.856 14.9,215.55 35.073,215.55 39.1,211.523 39.1,189.3 47.64,180.76 73.69,180.76 103.49,150.96 125.74,150.96 135.24,141.46 149.29,141.46 v1(167.05,123.7)
CM4_GBE_MDI0_N: J7.10 T1.13 | length 208.3
  L1 Top w0.114: v1(175.278,125.774) 175.316,125.737 175.843,125.737 J7.10@175.88,125.7
  L10 Inner9 (Sig) w0.1: v1(28.97,219.7) 28.97,219.795 29.146,219.971 29.146,219.976 29.205,220.034 30.029,220.034 36.049,220.034 40.945,215.138 40.945,208.742 40.945,208.527 ccw(c41.485,208.527) 41.485,207.987 41.521,207.987 cw(c41.521,207.777) 41.731,207.777 41.731,207.497 cw(c41.521,207.497) 41.521,207.287 41.194,207.287 ccw(c41.194,206.747) 40.654,206.747 40.654,206.467 ccw(c41.194,206.467) 41.194,205.927 41.521,205.927 cw(c41.521,205.717) 41.731,205.717 41.731,205.437 cw(c41.521,205.437) 41.521,205.227 41.485,205.227 ccw(c41.485,204.687) 40.945,204.687 40.945,203.639 40.945,188.488 47.913,181.52 73.913,181.52 103.863,151.57 126.184,151.57 135.434,142.32 149.313,142.32 168.258,123.375 174.351,123.375 174.353,123.377 174.894,123.377 176.13,124.613 176.13,125.321 175.787,125.664 175.483,125.664 175.373,125.774 v1(175.278,125.774)
CM4_GBE_MDI0_P: J7.12 T1.14 | length 208.3
  L1 Top w0.114: v1(175.278,125.224) 175.316,125.262 175.842,125.262 J7.12@175.88,125.3
  L10 Inner9 (Sig) w0.1: v1(28.97,220.7) 28.97,220.605 29.211,220.364 30.166,220.364 30.5,220.364 30.962,220.364 ccw(c30.962,220.564) 31.162,220.564 31.162,220.858 cw(c31.362,220.858) 31.362,221.058 31.462,221.058 cw(c31.462,220.858) 31.662,220.858 31.662,220.564 ccw(c31.862,220.564) 31.862,220.364 32.412,220.364 36.186,220.364 41.275,215.275 41.275,208.742 41.275,208.527 ccw(c41.485,208.527) 41.485,208.317 41.521,208.317 cw(c41.521,207.777) 42.061,207.777 42.061,207.497 cw(c41.521,207.497) 41.521,206.957 41.194,206.957 ccw(c41.194,206.747) 40.984,206.747 40.984,206.467 ccw(c41.194,206.467) 41.194,206.257 41.521,206.257 cw(c41.521,205.717) 42.061,205.717 42.061,205.437 cw(c41.521,205.437) 41.521,204.897 41.485,204.897 ccw(c41.485,204.687) 41.275,204.687 41.275,203.639 41.275,188.625 48.05,181.85 62.72,181.85 74.05,181.85 104,151.9 126.321,151.9 135.571,142.65 149.45,142.65 168.395,123.705 174.214,123.705 174.216,123.707 174.757,123.707 175.8,124.75 175.8,125.184 175.65,125.334 175.483,125.334 175.373,125.224 v1(175.278,125.224)